# KiCad board keyball61_Left.kicad_pcb (continued)
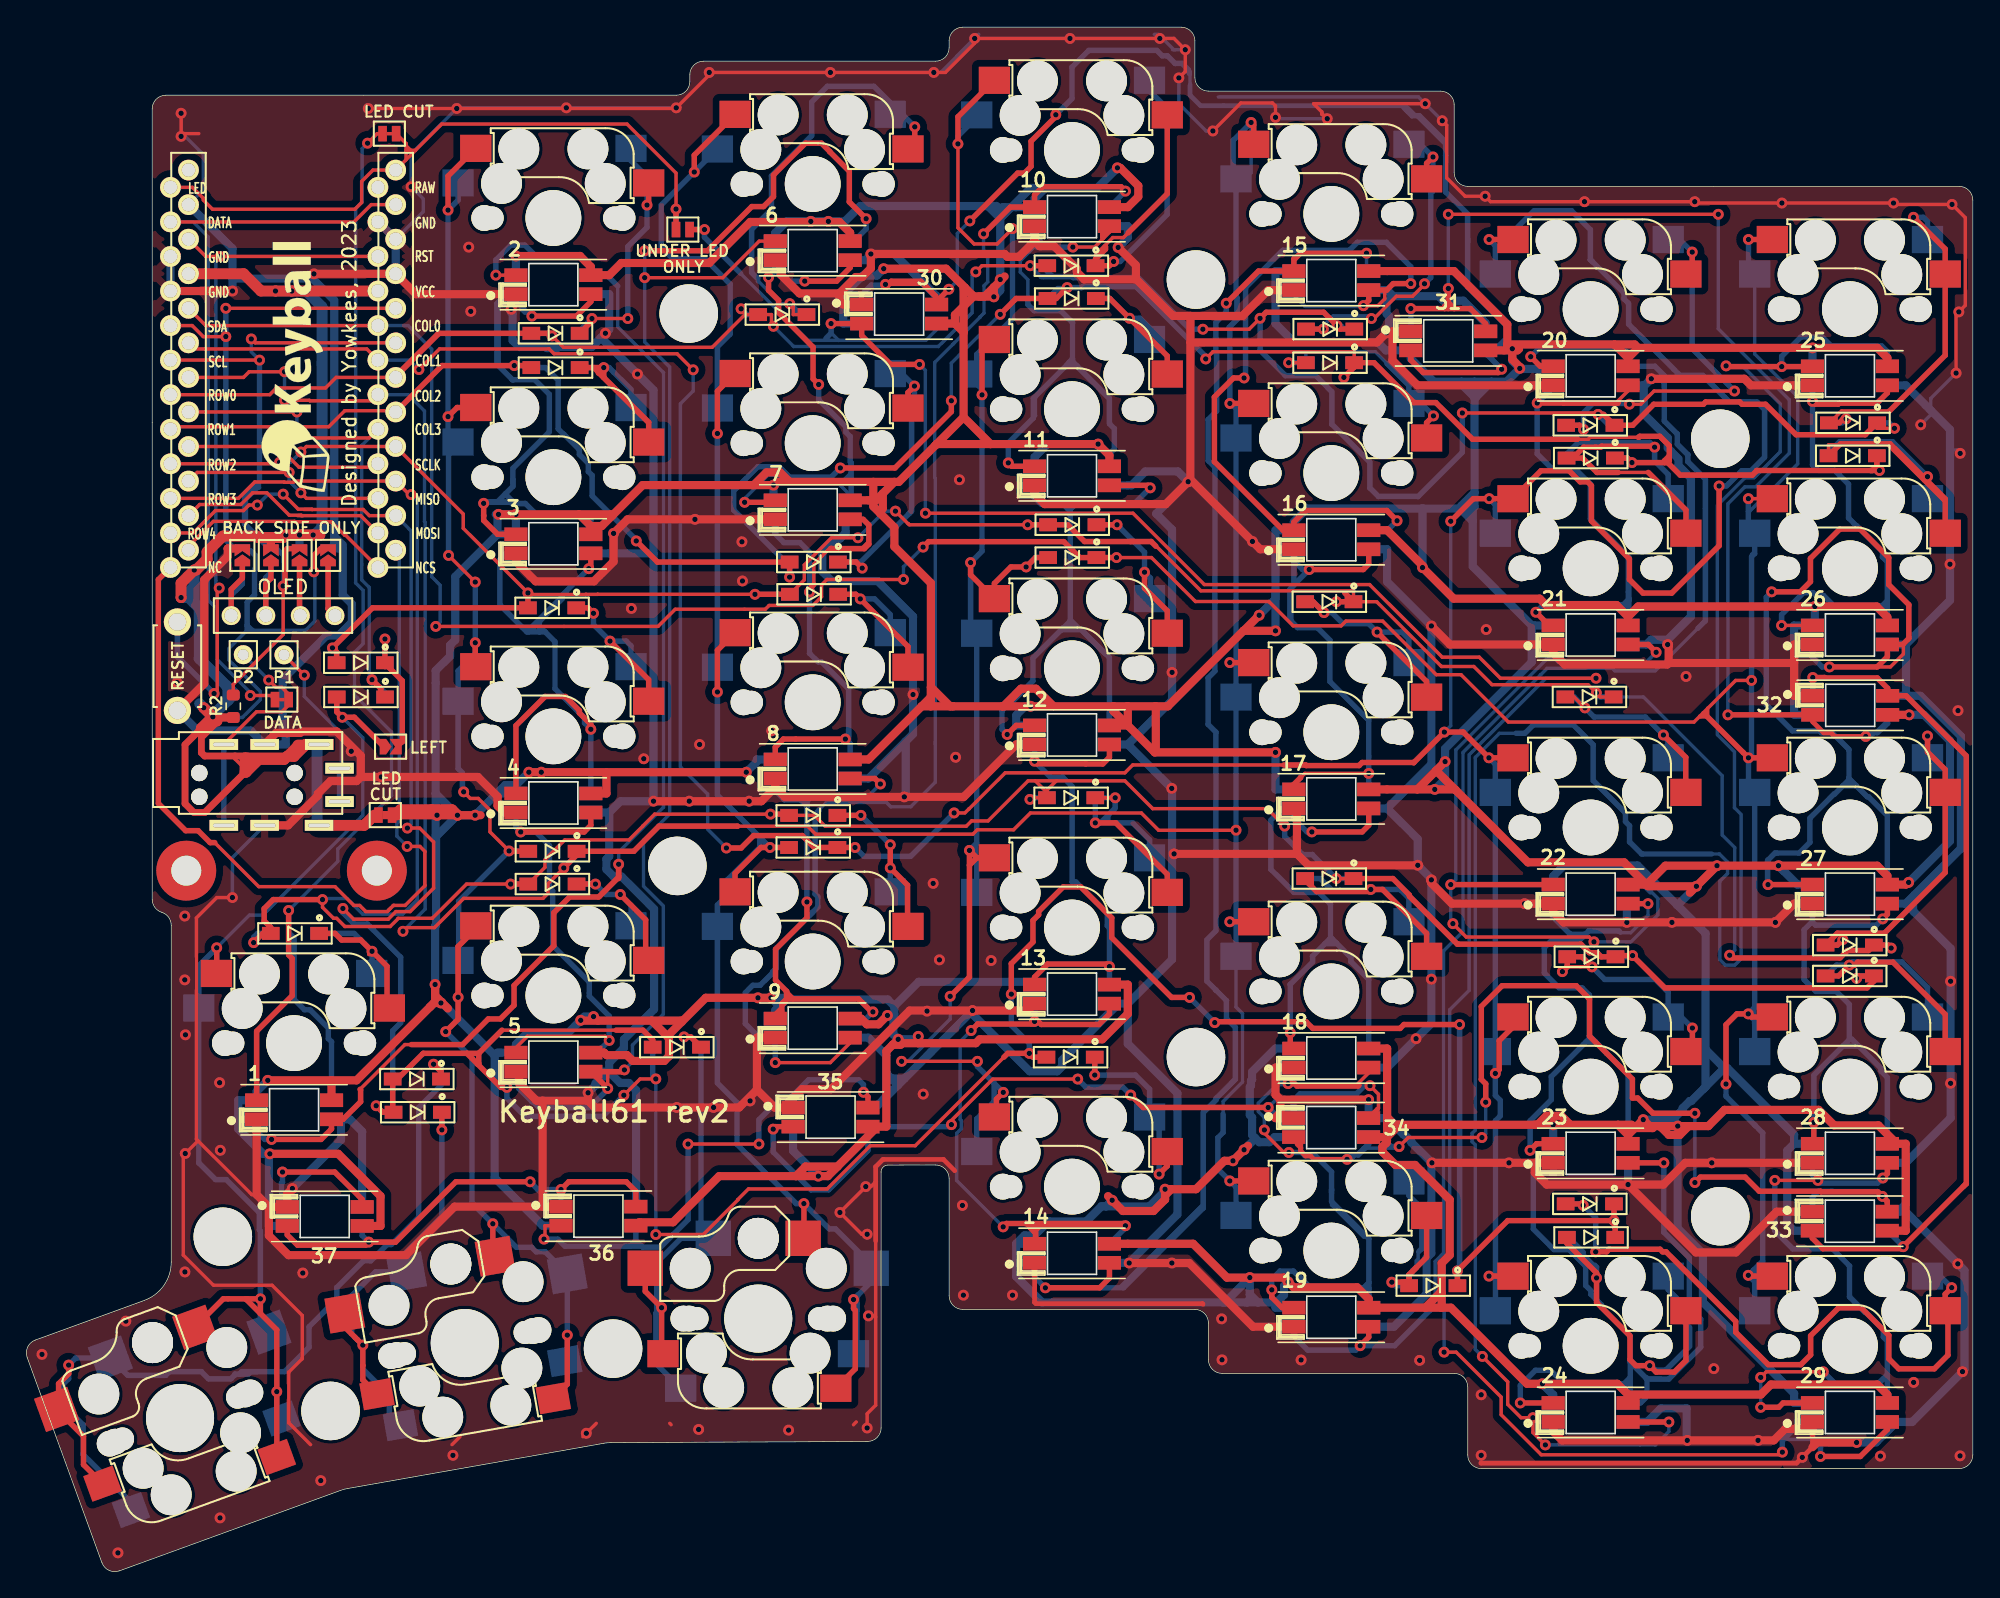
[diagram p0: board, top side]
## Routing (per net, layer and track width the routed paths; a pad name or vN(x,y) marks a point on that pad's centre or on a via; arc(x,y) is an arc through that point) (continued)
Net-(LED2-Pad2): length 58.4
  Top w0.4: 2.2 41.4,93.29 40.35,92.23 v1(37.07,92.23) ; v1(33.53,78.47) 33.53,77.56 33.53,77.56 33.53,77.21 34.55,76.19 3.4
  Bottom w0.25: v1(37.07,92.23) 35.9,93.4 35.9,93.8 35.9,93.8 ; 37.42,77.63 36.67,78.38 35.57,78.38 35.49,78.47 34.54,78.47 ; 35.75,87.55 34.67,88.62 34.67,92.96 35.51,93.8 35.9,93.8 ; 35.9,93.8 2.2 ; 34.54,78.47 34.54,78.58 ; 34.54,78.47 v1(33.53,78.47) ; 35.9,81.22 36.79,82.11
  Bottom w0.4: 35.64,87.55 35.75,87.55 ; 35.64,87.55 34.5,88.68 34.5,93.15 35.19,93.84 2.2 36.35,93.39 36.35,92.75 36.57,92.53 36.78,92.53 v1(37.07,92.23) ; 35.64,87.55 37.28,87.55 38.35,86.48 38.35,83.72 35.68,81.05 35.68,80.24 ; 35.68,80.24 35.68,79.9 ; 35.68,80.24 35.68,79.72 35.12,79.16 ; 34,78.58 34.54,78.58 35.12,79.16 ; 34,78.58 33.64,78.58 v1(33.53,78.47) ; 34,78.58 35.69,78.58 ; 3.4 41.4,77.22 40.99,77.63 37.42,77.63 36.6,78.46 35.82,78.46 35.69,78.58 ; 35.69,78.58 35.12,79.15 35.12,79.16
Net-(LED3-Pad2): length 57.6
  Top w0.4: 3.2 41.4,73.81 v1(41.25,73.66) ; 4.4 35.9,62.13 38.04,64.27 39.53,64.27 40.56,63.24 40.56,63.06 41.4,62.22 v1(41.4,61.86)
  Bottom w0.25: 34.73,71.25 34.73,74.33 ; v1(41.4,61.86) 41.4,62.15 39.24,64.31 ; 36.78,69.19 v1(41.25,73.66)
  Bottom w0.4: 37.62,69.02 38.04,69.02 ; 37.62,69.02 37.62,69.02 37.62,69.43 ; 37.62,69.02 36.7,69.02 ; 38.04,69.02 38.77,68.29 38.77,64.85 40.94,62.68 40.94,62.32 v1(41.4,61.86) 4.4 ; 38.04,69.02 37.63,69.43 37.62,69.43 ; 37.62,69.43 37.62,69.78 ; 37.62,69.78 37.19,69.35 ; 37.62,69.78 39.28,71.44 39.28,71.69 v1(41.25,73.66) ; 37.19,69.35 37.18,69.36 36.36,69.36 ; 37.19,69.35 36.86,69.02 36.7,69.02 ; 36.36,69.36 34.73,70.99 34.73,74.33 35.18,74.79 3.2 ; 36.36,69.36 36.7,69.02
Net-(LED4-Pad2): length 35.9
  Top w0.25: v1(42.75,38.99) 42.45,39.29 36.74,39.29 35.9,38.46 5.4
  Top w0.4: 4.2 41.4,54.8 40.91,54.31 v1(36.25,54.31)
  Bottom w0.4: 5.4 41.86,38.09 v1(42.75,38.99) 42.75,40.77 41.29,42.23 41.29,43.27 38.6,45.96 38.6,49.96 38.37,50.2 38.37,53.31 37.36,54.31 v1(36.25,54.31) 35.9,54.66 4.2
Net-(LED5-Pad2): length 119.6
  Top w0.25: v1(42.65,35.45) 42.65,36.62 ; 42.65,36.62 42.58,36.69 5.2 ; 42.65,36.62 43.67,36.62 v1(43.87,36.82) ; v1(45.36,95.05) 51.09,95.05 53.78,97.74 6.4
  Top w0.4: v1(45.36,97.03) 49.98,97.03 53.23,100.28 54.09,100.28 54.82,101.01 54.82,102.6 57.17,104.94 58.34,104.94 58.96,104.32 58.96,104.31 60.39,102.87 60.39,100.62 v1(61.63,99.39) ; v1(42.65,35.45) 41.41,36.69 5.2 43.74,36.69 v1(43.87,36.82)
  Bottom w0.25: v1(45.36,97.03) v1(45.36,95.05) 45.36,90.32 47.19,88.49 47.19,55.63 45.28,53.71 45.28,50.32 46.73,48.87 46.73,40.91 44.46,38.64 44.46,37.41 v1(43.87,36.82) ; 35.9,36.33 5.2 ; v1(42.65,35.45) 41.6,34.41
  Bottom w0.4: 5.2 35.9,36.33 36.11,36.12 36.11,35.45 37.08,34.48 37.16,34.48 37.59,34.05 41.3,34.05 42.65,35.4 v1(42.65,35.45) ; 6.4 60.73,97.74 61.63,98.63 v1(61.63,99.39)
Net-(LED6-Pad2): length 45.2
  Top w0.4: v1(58.14,87.2) 57.73,87.61 57.73,89.95 55.2,92.48 55.2,93.39 54.46,94.13 v1(54.46,95.07) ; v1(57.12,94.8) 59.46,94.8 60.45,95.79 6.2 ; v1(52.7,78.54) 54.81,78.54 7.4
  Bottom w0.25: v1(57.12,94.8) 56.1,94.8 ; 54.95,95.94 6.2 ; 59.66,79.86 60.46,80.66 60.46,83.38 ; 59.66,79.86 60.45,79.07 7.4 ; 59.66,79.86 55.79,79.86 55.12,80.53 54.42,80.53 52.7,78.82 v1(52.7,78.54)
  Bottom w0.4: v1(57.12,94.8) 55.77,94.8 54.95,95.61 6.2 54.95,95.56 v1(54.46,95.07) ; 7.4 60.53,78.77 60.53,81.45 60.46,81.53 60.46,83.38 60.14,83.7 60.14,84.08 58.14,86.08 v1(58.14,87.2)
Net-(LED7-Pad2): length 41.1
  Top w0.25: 57.79,72.5 57.79,74 58.39,74.6 59,75.21 61.36,75.21 61.76,75.6
  Top w0.4: 57.79,72.5 57.61,72.32 57.61,72.09 v1(57.47,71.95) ; 59.05,75.16 59.07,75.13 61.5,75.13 61.83,75.46 61.83,76.88 61.41,77.29 7.2 ; 8.4 54.95,60.54 55.55,61.14 v1(60.1,61.14)
  Bottom w0.4: 60.34,61.83 60.34,60.9 60.45,60.79 ; 60.34,61.83 60.34,61.38 v1(60.1,61.14) 60.45,60.79 ; 60.34,61.83 60.34,64.83 58.36,66.81 58.1,66.81 57.47,67.44 v1(57.47,71.95) 57.47,74.87 56.76,75.58 55.58,75.58 54.92,76.24 54.95,76.27 7.2 ; 60.45,60.79 8.4
Net-(LED8-Pad2): length 47.5
  Top w0.25: 61.4,41.81 v1(62.13,41.09) ; 55.79,42.6 55.79,41.81 54.95,40.98 9.4
  Top w0.4: 9.4 55.44,41.07 55.44,41.69 55.79,42.04 ; v1(62.13,41.09) 62.03,41.09 61.07,42.04 56.24,42.04 ; v1(62.68,57.84) 62.27,58.24 8.2 ; 56.24,42.04 55.79,42.5 55.79,42.6 ; 56.24,42.04 55.79,42.04 ; v1(57.28,49.17) 57.28,47.99 54.97,45.68 54.97,43.41 55.79,42.6 ; 55.79,42.04 55.79,42.6
  Bottom w0.25: 54.95,57.86 8.2 54.95,57.49 55.55,56.89 56.87,56.89 ; 56.87,56.89 57.28,56.48 57.68,56.87 ; 56.87,56.89 57.66,56.89 57.68,56.87 ; 57.68,56.87 57.81,57 61.84,57 v1(62.68,57.84)
  Bottom w0.4: 56.84,56.67 55.62,56.67 54.95,57.34 8.2 ; 56.84,56.67 56.84,56.63 57.28,56.19 ; 56.84,56.67 57.09,56.67 57.28,56.48 57.28,56.19 ; v1(62.13,41.09) 61.63,40.59 9.4 ; 57.28,56.19 v1(57.28,49.17)
Net-(LED10-Pad2): length 62.4
  Top w0.25: 10.2 79.5,98.39 78.41,97.3 v1(76.82,97.3)
  Top w0.4: v1(72.07,81.44) 72.32,81.19 11.4 ; 10.2 79.5,98.75 79.01,98.26 79.01,98.03 79.03,98.02
  Bottom w0.25: 74.93,97.3 73.4,98.84 10.2 ; 74.93,97.3 v1(76.82,97.3) ; 74.93,97.3 73.97,97.3 72.96,96.28 72.96,95.46 73.51,94.9 73.51,93.1 ; 76.79,89.06 76.79,91.2 ; 76.79,89.06 76.79,88.79 ; 76.79,89.06 76.54,88.81 76.54,88.79 ; 76.79,88.79 79.5,86.07 79.5,84.32 ; 76.79,88.79 76.54,88.79 ; 73.91,84.74 74.07,84.9 74.07,86.32 76.54,88.79
  Bottom w0.4: 11.4 79.5,82.1 79.86,82.46 79.86,83.96 79.5,84.32 79.5,86.18 77.13,88.55 ; 77.13,88.55 77.08,88.6 76.36,88.6 ; 77.13,88.55 76.87,88.81 76.54,88.81 ; v1(76.82,97.3) 74.2,97.3 74,97.49 10.2 ; 76.79,89.08 76.54,88.83 76.54,88.79 ; 73.51,93.6 73.51,93.08 73.96,92.63 75.91,92.63 76.79,91.75 76.79,88.79 76.52,88.79 73.91,86.18 73.91,84.74 72.07,82.9 v1(72.07,81.44)
Net-(LED10-Pad4): length 98.3
  Top w0.25: v1(70.26,98.27) 70.16,98.18 ; 10.4 72.83,100.24 ; 9.2 60.45,38.81 59,37.35 v1(54.95,37.35)
  Top w0.4: v1(80.68,101.42) 80.36,101.74 74.6,101.74 74,101.14 10.4 72.22,100.24 v1(70.26,98.27)
  Bottom w0.25: v1(70.26,98.27) 70.26,96.82 70.56,96.52 70.56,94.74 70.29,94.46 70.29,92.45 69.99,92.16 69.99,92.15 67.98,90.14 ; 67.98,90.14 68.09,90.24 ; 67.98,90.14 66.67,88.82 66.67,80.36 66.71,80.31 66.71,60.92 ; 66.71,60.79 66.71,60.92 ; 66.71,60.92 66.71,57.96 64.91,56.16 63.44,56.16 63.12,56.48 58.7,56.48 58.18,55.95 ; 55.01,45.87 55.01,44.75
  Bottom w0.4: v1(54.95,37.35) 9.2 53.78,39.19 52.75,40.21 52.75,42.49 53.3,43.04 53.84,43.04 54.76,43.96 54.76,44.03 55.03,44.3 55.03,45.74 57.69,48.4 57.7,48.4 ; 57.7,48.4 57.46,48.16 ; 57.7,48.4 58.08,48.78 58.08,49.55 57.88,49.75 57.88,55.63 58.18,55.92 58.18,55.95 ; 10.4 v1(80.68,101.42)
Net-(LED11-Pad2): length 59.8
  Top w0.25: 11.2 80.68,79.79
  Top w0.4: v1(71.99,61.48) 72.65,62.14 12.4 ; v1(82.5,79.6) 82.31,79.79 11.2
  Bottom w0.25: v1(82.5,79.6) 82.53,79.64 ; 81.3,78.41 74.85,78.41 ; 79.17,67.35 77.2,69.31 76.19,69.31 ; 11.2 73.4,79.79
  Bottom w0.4: 76.12,69.33 75.91,69.12 ; 76.12,69.33 76.62,69.33 ; 76.12,69.33 76.13,69.33 76.62,69.82 ; 75.91,69.12 75.96,69.17 77.34,69.17 ; 75.91,69.12 73.88,67.1 73.88,65.41 71.99,63.52 71.9,63.52 71.61,63.24 71.61,61.85 v1(71.99,61.48) ; 77.41,69.23 79.5,67.13 12.4 79.5,63.17 ; 76.62,69.33 76.64,69.31 ; 76.62,69.33 76.62,69.82 ; 76.09,78.41 74.48,78.41 74,78.89 11.2 ; 76.09,78.41 81.3,78.41 v1(82.5,79.6) ; 76.09,78.41 76.47,78.03 76.62,78.03 ; 76.62,78.03 77,78.41 ; 76.62,78.03 76.62,69.82 ; 76.62,69.82 76.69,69.82 77.2,69.31
Net-(LED12-Pad2): length 33.9
  Top w0.4: 13.4 74,43.64 74.96,44.6 79.32,44.6 v1(79.5,44.41) ; 12.2 79.5,59.8 79.01,59.31 77.75,59.31 77.74,59.32 74.19,59.32 v1(74,59.51)
  Bottom w0.4: 12.2 v1(74,59.51) 75.16,58.35 76.06,58.35 76.76,57.65 76.76,50.64 77.03,50.64 79.34,48.32 79.34,47.42 79.5,47.26 v1(79.5,44.41) 13.4
Net-(LED13-Pad2): length 52
  Top w0.25: 74,25.28 73.68,25.28 ; 74,25.28 74.09,25.36 v1(80.68,25.36) ; 74,25.28 14.4
  Top w0.4: v1(71.7,25.28) 71.94,25.53 73.33,25.53 ; 73.33,25.53 80.51,25.53 v1(80.68,25.36) ; 73.33,25.53 73.43,25.53 73.68,25.28 ; 73.68,25.28 73.93,25.28 74.09,25.12 ; 73.68,25.28 73.68,25.23 74,24.9 74,24.96 74.41,25.36 ; 74.09,25.12 74.09,24.12 14.4 ; 74.09,25.12 74.09,25.36 ; 13.2 79.5,40.93 78.73,40.16 74.49,40.16 74.27,40.38 v1(74,40.38) 73.81,40.19 69.82,40.19 v1(69.34,39.71)
  Bottom w0.25: v1(71.7,25.28) 68.28,28.7 68.28,32.16 68.62,32.5 68.62,33.1 68.53,33.18 68.53,38.9 v1(69.34,39.71)
  Bottom w0.4: v1(80.68,25.36) 80.68,25.21 14.4 ; 13.2 v1(74,40.38)
Net-(LED14-Pad2): length 123.2
  Top w0.4: v1(98.39,96.85) 93.54,96.85 93.12,96.44 93.05,96.44 15.4 90.45,95.54 v1(88.09,93.17) ; 14.2 79.5,21.52 78.79,20.8 v1(74.8,20.8)
  Bottom w0.25: 86.43,27.02 80.22,20.8 v1(74.8,20.8) ; 15.4 98.39,95.7 v1(98.39,96.85) ; 88.1,40.59 88.11,40.59 88.81,39.88 ; 88.81,36.09 87.4,34.68
  Bottom w0.4: 14.2 74,21.59 v1(74.8,20.8) 80.54,20.8 86.39,26.66 86.39,33.67 87.33,34.61 87.33,34.71 88.75,36.14 88.75,39.94 ; 88.75,39.94 88.75,39.93 ; 88.75,39.94 88.11,40.59 ; 88.1,40.59 88.1,41.91 87.33,42.68 86.66,43.35 86.66,46.38 87.33,47.04 87.33,61.64 86.75,62.22 86.75,65.64 87.25,66.14 87.25,80.96 87.33,81.03 86.75,81.61 86.75,84.62 87.38,85.24 87.38,89.46 87.33,89.51 87.33,91.77 88.09,92.53 v1(88.09,93.17)
Net-(LED15-Pad2): length 63.8
  Top w0.25: 15.2 99.73,94.14 99.73,93.5 99.23,93 v1(98.17,93) ; 89.18,87.68 v1(89.4,87.68) ; 100.15,77.67 v1(100.64,77.18)
  Top w0.4: v1(101.64,94.62) 100.35,94.62 99.87,94.14 15.2 98.55,93.38 v1(98.17,93) ; v1(89.4,87.68) 88.62,87.68 87.21,86.28 87.21,81.53 92.25,76.49 16.4 93.05,77.09 93.9,77.94 99.88,77.94 v1(100.64,77.18)
  Bottom w0.25: 15.2 93.05,93.76 93.87,92.94 98.11,92.94 v1(98.17,93)
  Bottom w0.4: v1(101.64,94.62) 101.64,95.86 99.85,97.65 97.72,97.65 97.13,97.07 92.24,97.07 89.51,94.33 ; 89.51,94.33 89.51,87.79 v1(89.4,87.68) ; 89.51,94.33 89.51,94.28 ; 16.4 99.94,76.49 v1(100.64,77.18)
Net-(LED16-Pad2): length 42.5
  Top w0.25: 17.4 93.05,57.81 93.86,58.61 v1(98.55,58.61)
  Top w0.4: 17.4 93.05,57.81 93.54,58.3 93.54,58.33 ; v1(94.18,73.6) 98.15,73.6 98.55,74 16.2
  Bottom w0.25: 93.33,69.33 92.91,69.75 92.91,72.33 v1(94.18,73.6)
  Bottom w0.4: 93.05,74.58 93.05,72.47 ; 93.05,74.58 16.2 ; 93.05,74.58 93.05,74.23 93.68,73.6 v1(94.18,73.6) 93.05,72.47 ; 93.05,72.47 92.91,72.33 ; 93.05,72.47 93.05,72.45 92.83,72.23 92.83,72.21 92.76,72.14 92.76,69.85 92.81,69.85 93.33,69.33 94.77,69.33 95.7,68.4 95.7,65.37 98.55,62.52 v1(98.55,58.61) 17.4
Net-(LED17-Pad2): length 47.9
  Top w0.4: v1(92.79,39.56) 92.79,38.65 93.05,38.39 ; 17.2 98.55,54.8 98.07,54.31 v1(94.37,54.31)
  Bottom w0.25: v1(92.79,39.56) 92.79,43.07 ; 98.55,40.26 98.55,43.26
  Bottom w0.4: 95.35,46.1 95.72,46.48 95.74,46.48 ; 95.35,46.1 94.43,45.18 94.43,44.75 92.79,43.11 ; 95.35,46.1 96.16,46.1 96.19,46.13 ; 95.74,46.48 95.84,46.48 96.19,46.13 ; 95.74,46.48 95.74,49.01 94.89,49.87 93.06,49.87 91.36,51.56 91.36,55.18 91.58,55.39 91.58,55.4 92.21,56.04 17.2 93.05,55.28 94.02,54.31 v1(94.37,54.31) ; 92.79,43.11 92.79,43.07 ; 92.79,43.11 v1(92.79,39.56) ; 96.19,46.13 97.24,45.08 97.24,44.78 98.55,43.46 98.55,38.39
Net-(LED18-Pad2): length 51.4
  Top w0.25: 97.76,35.81 98.55,36.61 18.2 ; v1(92.69,30.75) 92.31,30.75 90.89,32.18 v1(90.89,32.41)
  Top w0.35: 97.74,35.63 97.79,35.63 97.84,35.68 97.84,35.73
  Top w0.4: v1(92.63,35.81) 93.1,35.81 93.28,35.63 97.74,35.63 ; v1(91.43,20.65) 91.43,20.1 92.19,19.34 93.05,19.34
  Bottom w0.25: 18.2 91.88,36.99 91.88,35.81 90.44,34.37 90.44,33.76 90.88,33.31 v1(90.89,32.41) ; 98.19,24.52 95.82,26.88 95.82,27.79 ; v1(91.43,20.65) 91.43,21.06 ; 92.33,21.96 92.98,21.96
  Bottom w0.4: 97.88,20.77 98.14,20.77 98.56,21.19 ; 97.88,20.77 98.06,20.77 98.56,20.27 ; 97.88,20.77 98.53,20.77 98.56,20.74 ; 97.88,20.77 94.3,20.77 93.46,21.62 93.43,21.62 93.02,22.03 92.04,22.03 91.43,21.42 v1(91.43,20.65) ; 98.56,21.19 98.56,20.74 ; 98.56,21.19 98.56,24.4 95.82,27.15 95.82,28 ; 98.56,20.74 98.56,20.27 ; 95.82,28 95.82,27.79 ; 95.82,28 95.82,29.32 94.62,30.52 93.85,30.52 93.62,30.75 v1(92.69,30.75) ; 98.56,20.27 98.56,19.35 98.55,19.34 ; 91.88,35.81 v1(92.63,35.81) 93.05,36.24 18.2
Net-(LED19-Pad2): length 123.3
  Top w0.4: v1(97.92,16.55) 98.55,17.18 19.2 ; 20.4 111.16,88.54 v1(110.45,89.24)
  Bottom w0.25: 120.26,87.08 120.26,84.42 121.25,83.43 121.25,82.68 121.93,82.01 121.93,81.5 123.29,80.15 123.29,78.06 ; 122.74,69.29 119.6,66.15 116.63,66.15 116.45,66.33 111.65,66.33 111.18,65.86 105.48,60.16 105.48,47 104.05,45.57 104.05,23.35 103.43,22.73 103.43,19.98 103.25,19.8 ; 99.93,16.55 v1(97.92,16.55)
  Bottom w0.4: 120.26,87.31 120.26,87.08 ; 120.26,87.31 120.26,87.85 119.58,88.54 20.4 117.6,89.49 117.11,89.98 111.19,89.98 v1(110.45,89.24) ; 120.26,87.31 120.26,84.52 121.22,83.57 121.22,82.82 122.01,82.04 122.01,81.53 123.29,80.25 123.29,69.83 122.74,69.29 ; 19.2 93.05,17.56 93.05,17.56 93.05,17.24 94.07,16.22 97.6,16.22 v1(97.92,16.55) 100.45,16.55 103.06,19.16 103.06,19.61 103.25,19.8
Net-(LED20-Pad2): length 53.7
  Top w0.25: v1(110.93,85.84) 116.71,85.84 117.6,86.73 20.2
  Top w0.4: 21.4 111.8,69.49 v1(110.83,70.46) ; 116.9,85.88 116.84,85.83 112.86,85.83 112.86,85.84 v1(110.93,85.84)
  Bottom w0.25: 116.45,75.65 117.54,74.56 117.54,71.37 117.63,71.29 ; 111.11,70.74 v1(110.83,70.46) ; 114.87,77.62 114.88,77.62 ; v1(110.93,85.84) 110.93,82.36
  Bottom w0.4: 117.67,70.69 117.67,69.56 21.4 ; 117.67,70.69 117.67,71.34 ; 117.67,70.69 117.34,71.02 117.26,71.02 ; 117.67,71.34 117.67,71.43 ; 117.67,71.34 117.63,71.29 ; 117.67,71.43 117.26,71.02 ; 117.67,71.43 117.67,74.5 114.83,77.34 114.83,79.89 113.8,80.92 112.11,80.92 110.93,82.1 v1(110.93,85.84) 112.1,87.01 20.2 ; 117.26,71.02 111.39,71.02 v1(110.83,70.46)
Net-(LED21-Pad2): length 66
  Top w0.25: v1(104.74,47.57) 105.72,46.59 114.75,46.59 v1(115.1,46.23)
  Top w0.4: v1(104.58,50.44) 22.4 ; v1(119.67,67.52) 119.09,68.09 21.2
  Bottom w0.25: 111.93,67.32 111.59,66.98 ; 111.59,66.98 104.95,60.34 104.95,50.81 v1(104.58,50.44) 104.58,47.73 v1(104.74,47.57) ; 111.59,66.98 112.2,66.98 112.24,67.01 ; 111.94,67.32 111.94,67.31 112.24,67.01 ; 112.24,67.01 112.47,66.78 116.64,66.78 116.82,66.6 118.75,66.6 v1(119.67,67.52) 119.06,66.91 ; 21.2 112.1,67.73 ; 22.4 118.78,50.44 119.8,49.42 119.8,48.22 117.81,46.23 v1(115.1,46.23)
  Bottom w0.4: 119.25,49.91 118.72,50.44 22.4 ; 111.93,67.32 111.93,67.92 21.2 ; 111.93,67.32 111.94,67.32 ; 111.93,67.32 111.95,67.33
Net-(LED22-Pad2): length 50.7
  Top w0.25: 112.1,31.39 110.93,31.39
  Top w0.4: 22.2 v1(119.07,49.04) ; v1(110.4,30.91) 110.88,31.39 ; 110.88,31.39 110.93,31.39 ; 110.88,31.39 112.1,31.39
  Bottom w0.25: v1(119.07,49.04) 119.07,48.17 117.8,46.91 117.06,46.91 117.01,46.96 ; 114.22,38.52 112.21,36.51
  Bottom w0.4: 115.19,38.9 115.17,38.89 114.53,38.89 ; 115.19,38.9 116.03,38.06 116.03,38.04 117.6,36.46 117.6,31.39 ; 115.19,38.9 114.77,39.33 ; 113.35,46.79 113.61,46.53 ; 113.35,46.79 112.1,48.04 22.2 ; 113.35,46.79 113.36,46.79 113.8,46.35 ; 113.35,46.79 114.39,46.79 114.43,46.75 ; 114.43,46.75 114.22,46.54 114.22,46.53 114.03,46.35 113.8,46.35 ; 114.43,46.75 114.71,47.03 116.93,47.03 117.01,46.96 ; 114.77,39.33 114.77,42.32 114.23,42.85 112.54,42.85 111.45,43.94 111.45,45.8 112,46.35 113.8,46.35 ; 114.77,39.33 114.77,39.13 114.53,38.89 ; 114.53,38.89 111.96,36.32 111.96,34.63 110.4,33.07 v1(110.4,30.91)
Net-(LED23-Pad2): length 68.4
  Top w0.4: 23.2 v1(120.23,29.99) ; 112.1,12.34 v1(109.69,12.34)
  Bottom w0.25: 118.99,12.81 118.99,14.17 120.03,14.17 ; 117.6,12.34 117.6,13.34 117.2,13.74 ; 111.9,14.74 112.82,13.82
  Bottom w0.4: 118.99,14.09 118.91,14.17 ; 118.99,14.09 120.6,14.09 122.94,16.44 122.94,18.5 122.1,19.34 122.1,23.01 120.23,24.88 v1(120.23,29.99) ; 118.99,14.09 118.99,12.81 118.52,12.34 117.6,12.34 117.76,12.5 117.76,13.74 ; 118.91,14.17 118.99,14.17 ; 118.91,14.17 117.76,15.32 ; 117.1,13.74 112.9,13.74 ; 117.1,13.74 117.3,13.74 117.76,14.2 ; 117.1,13.74 117.76,13.74 ; 112.9,13.74 112.82,13.82 ; 112.9,13.74 111.9,14.74 110.8,14.74 109.69,13.62 v1(109.69,12.34) ; 23.2 111,29.99 110.64,29.63 110.64,25.13 112.16,23.61 113.26,23.61 114.49,22.39 114.49,20.97 114.87,20.59 114.87,20.32 115.65,19.54 115.65,19.37 117.76,17.25 117.76,15.32 ; 117.76,14.2 117.76,13.74 ; 117.76,14.2 117.76,15.32
Net-(LED24-Pad2): length 169.8
  Top w0.25: v1(106.9,15.76) 108.76,13.9 108.76,12.24 109.75,11.25 v1(110.62,11.25) 110.62,10.17 v1(111.53,9.25)
  Top w0.4: 25.4 131.13,88.52 v1(128.89,88.52) 124.86,88.52 v1(124.81,88.57) ; 24.2 v1(120.6,10.94)
  Bottom w0.25: 109.39,61.56 108.16,61.56 106.38,59.79 106.38,32.38 106.14,32.15 106.14,31.55 106.38,31.31 106.38,16.28 v1(106.9,15.76) ; v1(120.6,10.94) 120.6,10.24 119.62,9.25 v1(111.53,9.25) ; v1(110.62,11.25) 110.93,10.94 24.2 ; 123.71,52.69 124.32,52.69 124.91,52.09 124.91,51.26 124.34,50.69 124.34,44.93 124.75,44.52 125.44,44.52 125.91,44.98 125.91,55.61 125.42,56.09 125.42,60.2 124.17,61.45 124.17,78.31 126.19,80.34 126.86,80.34 128.78,82.26 128.78,85.78 125.99,88.57 v1(124.81,88.57)
  Bottom w0.4: v1(128.89,88.52) 128.89,89.28 130.31,90.69 131.87,90.69 132.53,90.03 136.23,90.03 136.65,89.61 25.4 ; 109.39,61.56 110.03,61.56 110.64,62.18 113.58,62.18 115.04,60.72 115.04,58.09 115.52,57.62 115.52,57.6 117.41,55.71 117.41,55.07 117.71,54.77 117.71,53.58 118.6,52.69 123.71,52.69
Net-(LED25-Pad2): length 41.7
  Top w0.25: 26.4 v1(128.88,69.49)
  Top w0.4: 25.2 136.65,86.59 135.89,85.83 133.12,85.83 133.05,85.76 131.36,85.76 v1(131.15,85.96)
  Bottom w0.25: 132.37,71.31 132.02,71.66 ; 26.4 136.65,70.95
  Bottom w0.4: v1(128.88,69.49) 128.88,70.29 130.49,71.9 131.2,71.9 131.41,71.68 131.97,71.68 132.72,70.93 136.27,70.93 ; 136.65,71.31 136.65,74.16 136.3,74.52 136.3,74.92 134.43,76.79 134.4,76.79 133.8,77.39 133.8,79.87 132.78,80.89 131.56,80.89 131.15,81.3 v1(131.15,85.96) 25.2 ; 136.65,71.31 136.27,70.93 ; 136.65,71.31 136.65,70.58 ; 136.27,70.93 136.3,70.93 136.65,70.58 ; 136.65,70.58 26.4
Net-(LED26-Pad2): length 87.6
  Top w0.25: 129.37,71.96 v1(128.16,71.96) ; v1(132.4,66.44) 136.88,66.44 137.83,67.39 137.83,68.09 26.2
  Top w0.4: 27.4 v1(127.89,50.44) ; v1(132.4,66.44) 135.91,66.44 136.65,67.19 26.2 137.78,68.09 138.23,68.54 138.23,71.01 136.75,72.49 136.75,74.47 134.65,76.58 133.16,76.58 131,74.42 131,72.71 130.26,71.96 v1(128.16,71.96)
  Bottom w0.25: 27.4 136.65,55.31 ; 131.93,61.74 131.6,61.74 ; 127.89,52.12 v1(127.89,50.44)
  Bottom w0.4: 127.89,52.25 128.4,52.76 130.18,52.76 130.96,53.55 130.96,55.33 132.73,57.09 132.77,57.09 133.38,57.69 ; 127.89,52.25 127.89,52.12 ; 127.89,52.25 127.85,52.21 127.85,50.47 v1(127.89,50.44) ; 134.35,57.72 133.83,58.24 ; 134.35,57.72 134.32,57.69 133.38,57.69 ; 134.35,57.72 135.18,56.89 135.28,56.89 136.65,55.52 27.4 ; 133.83,58.24 133.83,58.15 ; 133.83,58.24 133.83,60.37 132.59,61.61 131.81,61.61 131.8,61.62 ; 133.38,57.69 133.83,58.15 ; 131.8,61.62 131.92,61.62 ; 131.8,61.62 131.68,61.74 129.69,61.74 127.76,63.68 127.76,71.56 v1(128.16,71.96) ; 26.2 131.15,67.15 131.86,66.44 v1(132.4,66.44) ; 133.83,58.15 133.83,57.93
Net-(LED27-Pad2): length 41.9
  Top w0.4: v1(136.31,47.92) 136.65,48.26 27.2 ; 131.15,31.39 131.25,31.49 v1(131.25,32.96)
  Bottom w0.25: 133.38,38.56 131.25,36.43 ; 136.24,47.85 v1(136.31,47.92) ; 27.2 130.55,49.04
  Bottom w0.4: 131.15,47.68 27.2 ; 131.15,47.68 131.37,47.46 135.85,47.46 v1(136.31,47.92) ; 131.15,47.68 131.09,47.68 130.54,47.12 130.54,43.46 131.4,42.59 132.9,42.59 133.86,41.63 133.86,39.08 ; v1(131.25,32.96) 131.25,36.43 133.39,38.57 ; 133.39,38.57 134.55,38.57 134.58,38.54 ; 133.39,38.57 133.86,39.04 133.86,39.08 ; 133.86,39.08 134.04,39.08 134.58,38.54 ; 134.58,38.54 136.19,36.93 136.19,36.73 136.65,36.26 136.65,31.39
Net-(LED28-Pad2): length 52.1
  Top w0.25: v1(127.35,14.22) 127.76,14.63 v1(131.95,14.63) ; v1(128.39,28.7) v1(131.55,28.7)
  Top w0.4: 131.15,12.34 128.99,12.34 128.67,12.02 v1(127.35,12.02) ; 28.2 136.65,29.21 v1(136.32,28.87)
  Bottom w0.25: 28.2 131.15,29.16 131.55,28.77 v1(131.55,28.7) ; 136.65,12.72 136.65,12.34 ; v1(136.32,28.87) 136.21,28.77 ; v1(127.35,14.22) v1(127.35,12.02)
  Bottom w0.4: 136.02,13.78 136.02,13.75 136.38,13.38 ; 136.02,13.78 136.35,14.12 136.33,14.09 ; 136.02,13.78 136.02,13.78 136.65,14.42 ; 136.02,13.78 132.8,13.78 v1(131.95,14.63) ; 136.65,13.11 136.65,12.34 ; 136.65,13.11 136.38,13.38 ; 136.65,13.11 136.65,14.42 ; 136.38,13.38 136.35,13.41 ; 28.2 131.15,29.09 v1(131.55,28.7) 131.55,28.63 131.67,28.5 135.95,28.5 v1(136.32,28.87) ; 136.65,14.42 136.65,16.89 136.35,17.19 136.35,17.71 135.07,19 135.01,19 133.87,20.13 133.87,22.41 132.62,23.66 129.71,23.66 128.39,24.99 v1(128.39,28.7)
Net-(LED30-Pad2): length 115.2
  Top w0.25: 30.2 66.8,93.5 ; 66.8,93.5 67,93.5 v1(67.7,94.2) ; 66.8,93.5 65.74,94.56 v1(63.05,94.56)
  Top w0.4: 31.4 101.64,89 102.56,88.08 108.07,88.08 v1(108.32,88.32) ; v1(67.7,94.2) 66.8,93.3 30.2 66.73,93.15 66.73,93.7 65.64,94.79 63.47,94.79 63.25,94.56 v1(63.05,94.56) ; v1(69.25,99.22) 72.76,102.74 73.25,102.74 73.74,103.23 73.74,105.08 75.56,106.9 v1(75.56,107.03)
  Bottom w0.25: 105.82,99.73 105.82,97.95 ; 104.2,104.8 101.3,107.7 87.88,107.7 ; v1(69.25,99.22) 68.33,98.31 68.33,94.83 v1(67.7,94.2) ; 85.32,110.32 85.43,110.21 85.43,109.23
  Bottom w0.35: 85.32,110.32 85.32,110.14 85.38,110.08 85.38,110.02 ; 101.39,107.3 101,107.7 86.2,107.7 85.43,108.46 85.43,109.23
  Bottom w0.4: v1(108.32,88.32) 107.14,89.5 31.4 107.78,89.71 108.69,90.61 108.69,91.5 105.82,94.37 105.82,97.68 ; 30.2 61.3,93.81 62,94.51 63,94.51 v1(63.05,94.56) ; 105.82,97.68 105.82,99.73 104.2,101.35 104.2,104.04 104.2,104.04 104.2,105.03 102.27,106.96 101.73,106.96 101.21,107.48 ; 105.82,97.68 105.82,97.95 ; v1(75.56,107.03) 76.75,108.22 76.75,110.53 77.98,111.76 82.98,111.76 83.38,111.36 83.76,111.36 84.32,110.8 84.84,110.8 85.32,110.32
Net-(LED31-Pad2): length 98.5
  Top w0.25: v1(124.23,99.71) v1(104.4,99.71) ; v1(101.64,92.78) 105.85,92.78 ; 31.2 107.14,91.49
  Top w0.35: v1(135.07,61.33) 132.79,61.33 132.52,61.59 131.98,61.59 131.17,62.4 32.4
  Top w0.4: v1(101.64,92.78) 104.13,92.78 ; 104.13,92.78 104.84,92.78 ; 104.13,92.78 104.13,92.95 104.4,93.22 ; 31.2 107.14,91.66 106.02,92.78 104.84,92.78 ; 104.4,93.22 104.4,92.78 ; 104.4,93.22 v1(104.4,94.26) ; 104.4,93.22 104.41,93.22 104.84,92.78 ; 32.4 v1(124.94,62.92)
  Bottom w0.25: v1(104.4,94.26) v1(104.4,99.71) ; 32.4 136.67,62.53 135.47,61.33 v1(135.07,61.33) ; v1(124.23,99.71) 124.23,91.3 129.45,86.08 129.45,82.16 126.97,79.68 126.18,79.68 124.94,78.44 v1(124.94,62.92)
  Bottom w0.4: 136.18,61.87 136.25,61.87 136.67,62.29 32.4 ; 136.18,61.87 135.91,61.61 135.35,61.61 v1(135.07,61.33) ; 136.18,61.87 136,61.69 ; v1(101.64,92.78) 31.2
Net-(LED32-Pad2): length 69.2
  Top w0.25: v1(137.82,23.82) 142.23,28.24
  Top w0.4: 142.45,28.46 142.45,59.9 138.03,64.32 32.2 136.67,64.87 135.91,65.63 132.07,65.63 132.04,65.66 v1(131.17,65.66) ; 142.45,28.46 142.44,28.46 137.82,23.83 v1(137.82,23.82) 137.68,23.68 131.91,23.68 131.14,24.45 131.14,25 ; 142.45,28.46 142.23,28.24
  Bottom w0.4: v1(137.82,23.82) 33.4 136.64,25 ; 32.2 v1(131.17,65.66)
Net-(LED33-Pad2): length 82.4
  Top w0.25: v1(100.78,31.18) 101.45,31.85 v1(106.87,31.85) ; 136.64,27.17 136.56,27.25
  Top w0.35: 34.4 93.04,31.88 93.56,31.36 93.56,31.03 ; 93.29,31.36 93.56,31.09 93.56,31.03 ; 93.56,31.03 93.56,30.85 93.91,30.49 94.28,30.49 94.53,30.24 v1(96.96,30.24)
  Top w0.4: v1(107.15,34.44) 107.15,35.8 106.82,36.12 106.82,41.48 108.35,43.01 113.79,43.01 114.77,42.03 114.77,39.29 117.92,36.14 117.92,34.75 118.32,34.75 119.43,33.63 v1(122.51,33.63) ; v1(136.29,27.52) 136.56,27.25 ; v1(136.29,27.52) 136.64,27.17 33.2 ; v1(136.29,27.52) 135.95,27.86 131.77,27.86 131.73,27.9 127.24,27.9 126.2,28.94 122.91,28.94 v1(122.51,28.54)
  Bottom w0.25: 98.12,31.07 98.54,31.49 34.4 ; 98.12,31.07 97.3,30.24 v1(96.96,30.24) ; 98.12,31.07 100.67,31.07 v1(100.78,31.18) ; v1(106.87,31.85) 107.15,32.13 v1(107.15,34.44) ; v1(122.51,33.63) v1(122.51,28.54)
  Bottom w0.4: v1(136.29,27.52) 135.93,27.88 132.6,27.88 132.58,27.9 131.59,27.9 131.14,27.45 33.2 ; v1(96.96,30.24) 97.01,30.24 97.33,30.57 97.78,30.57 98.54,31.33 34.4 99.49,31.88 100.19,31.18 v1(100.78,31.18)
Net-(LED34-Pad2): length 61.4
  Top w0.25: 99.2,33.93 99.27,34 99.27,35.03 v1(98.64,35.66) ; v1(77.17,36.15) 70.94,36.15 67.89,33.1 v1(67.89,32.8)
  Top w0.35: 99.2,33.93 34.2
  Top w0.4: v1(91.17,34.06) 91.22,34.06 81.98,34.06 v1(81.07,34.97) ; 35.4 54.99,32.65 v1(54.8,32.47)
  Bottom w0.25: 93.04,34.19 92.78,34.45 92.78,34.58 ; 93.04,34.6 93.02,34.58 92.78,34.58 ; 92.78,34.58 91.69,34.58 v1(91.17,34.06)
  Bottom w0.4: v1(98.64,35.66) 98.25,35.66 97.65,35.06 93.5,35.06 93.04,34.6 34.2 91.95,33.28 v1(91.17,34.06) ; v1(77.17,36.15) 77.76,35.56 80.48,35.56 v1(81.07,34.97) ; v1(54.8,32.47) 54.8,30.78 57.58,28 58.87,28 61.76,30.89 35.4 67.75,32.65 v1(67.89,32.8)
Net-(LED35-Pad2): length 41.3
  Top w0.25: v1(53.75,31.37) v1(48.55,31.37) ; v1(37.96,24.38) 38.04,24.45 38.04,25.37 36.4
  Top w0.4: 35.2 61.76,34.84 v1(61.43,35.18)
  Bottom w0.25: 38.18,24.17 v1(37.96,24.38) ; 36.4 44.71,24.97
  Bottom w0.4: v1(37.96,24.38) 38.98,24.38 39.5,23.86 43.93,23.86 ; 43.93,23.86 44.27,23.86 44.71,24.3 ; 43.93,23.86 45.15,23.86 45.22,23.79 ; 45.22,23.79 46.52,23.79 48.55,25.81 v1(48.55,31.37) ; 45.22,23.79 44.71,24.3 ; v1(53.75,31.37) 53.75,33.16 54.64,34.05 35.2 56.26,34.43 56.26,34.96 57.39,36.09 61.08,36.09 61.43,35.74 v1(61.43,35.18) ; 44.71,24.3 36.4
